# Altium PCB LimeNet-Micro_2v0.PcbDoc (part 3 of 11) (continued)
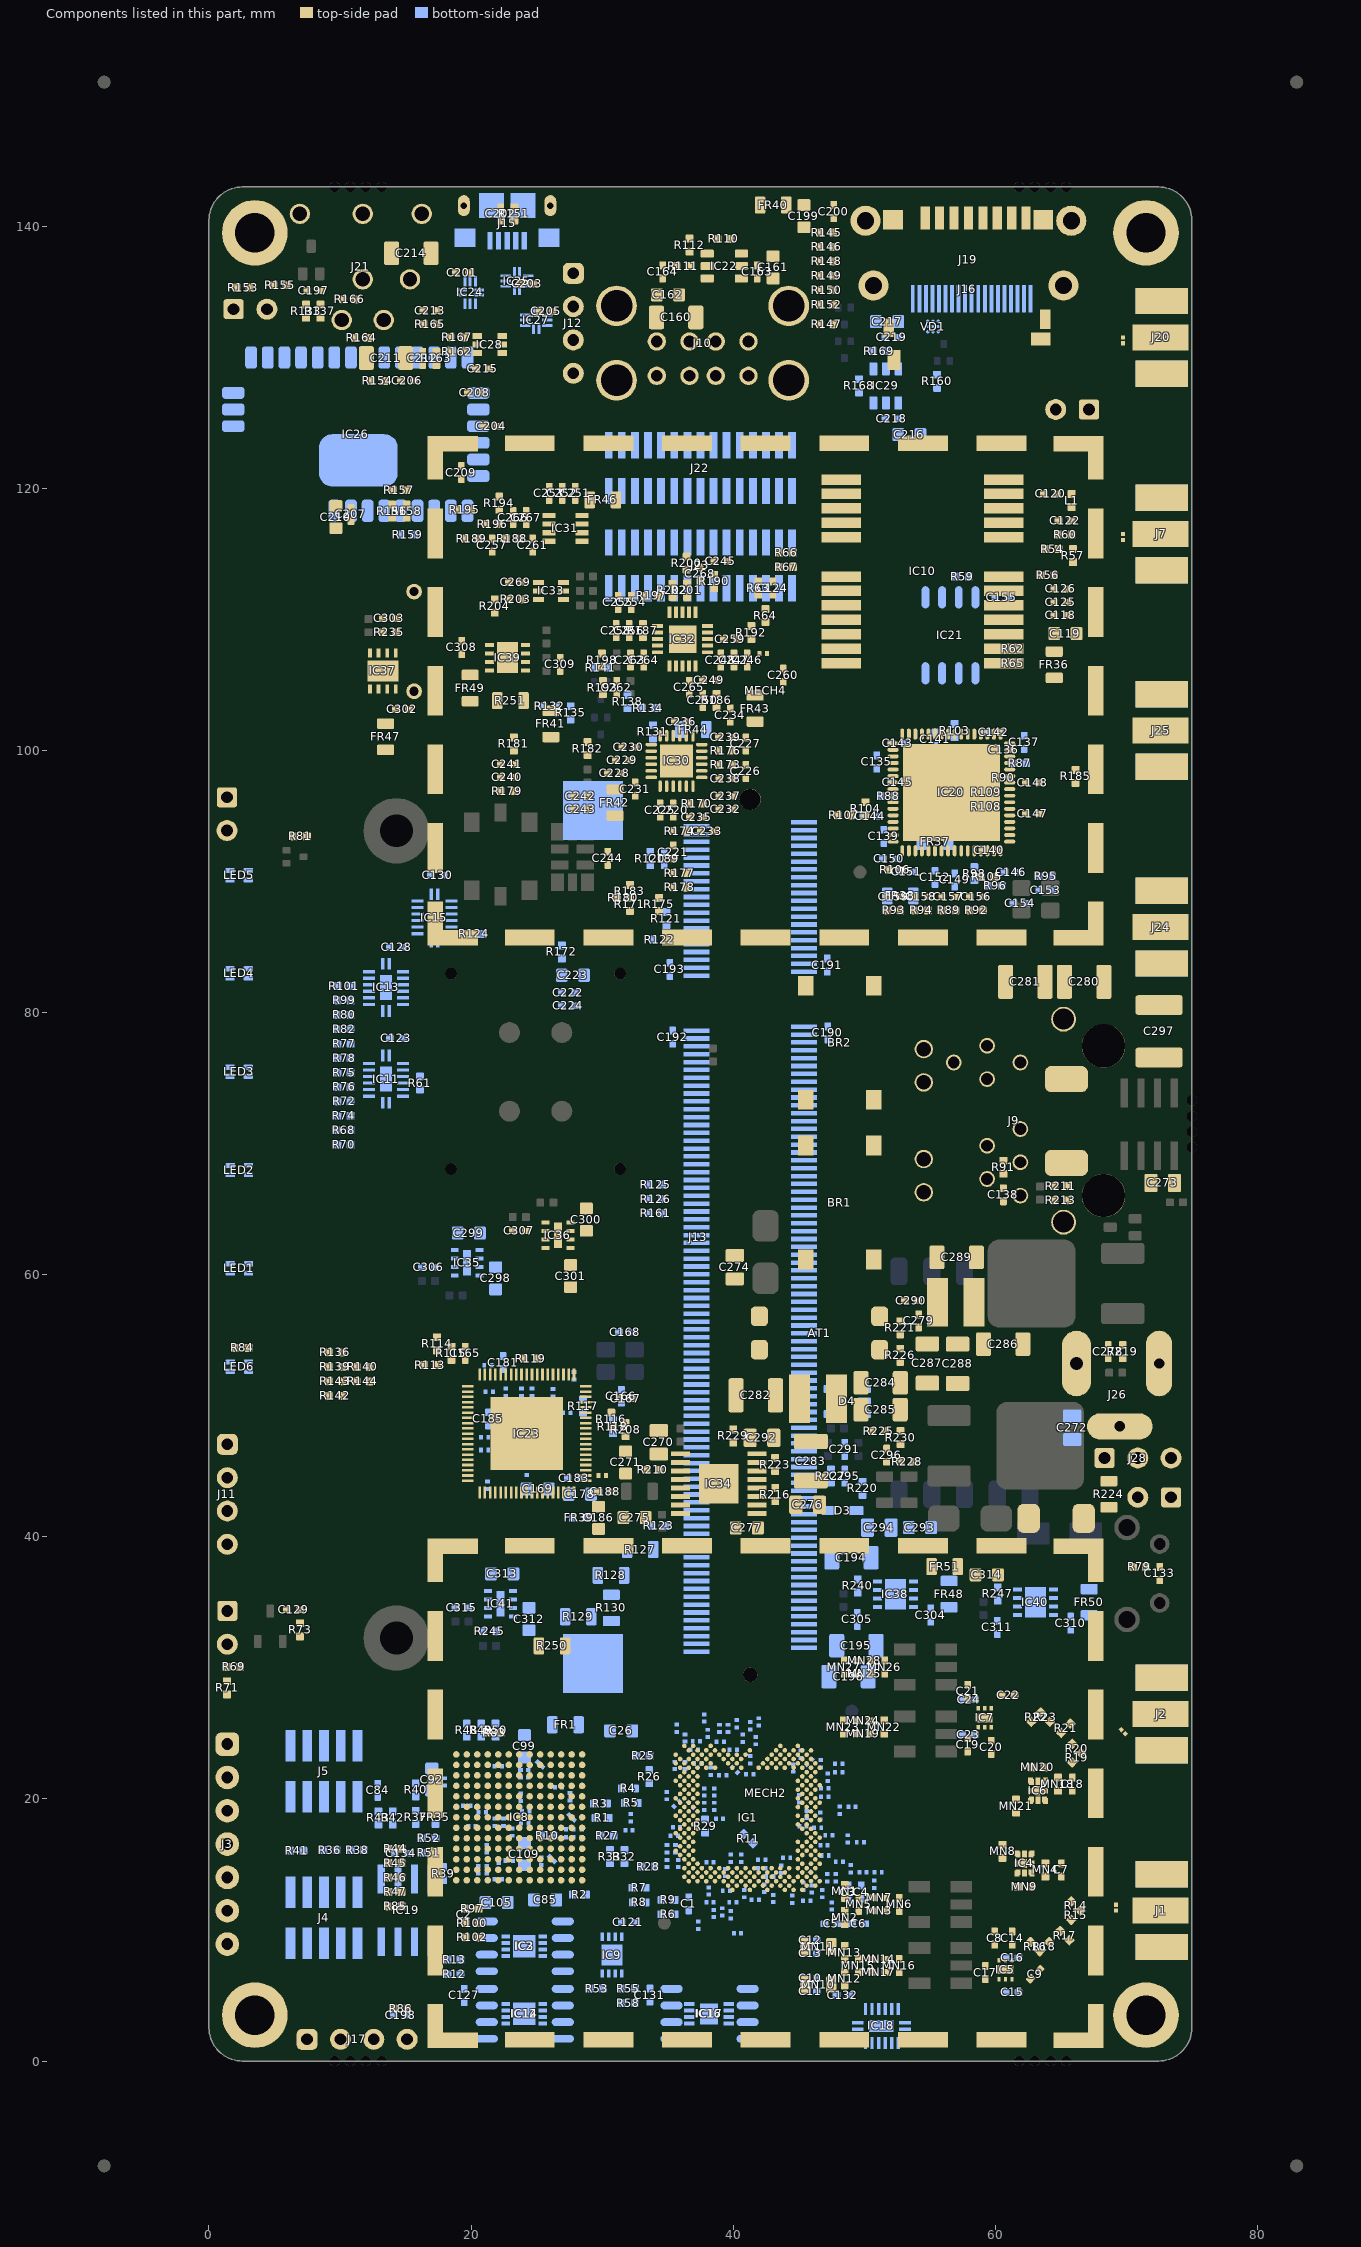
[diagram p7: the components of this part, seen from the top]
## Part data (continued)
J15: library part USB_Micro_TypeB, "Connector SMD USB Micro Type B", Manufacturer="Amphenol FCI", Manufacturer Part Number 1=10118193-0001LF, Supplier Part Number 1=609-4616-2-ND, Category="Connectors, Interconnects", Connector Type="USB - micro B", Mounting Type="Surface Mount, Right Angle, Horizontal", Number of Contacts=5, Part Description="CONN USB MICRO B RECPT SMT R/A", Supplier 1=Digi-Key
J16: library part MICRO_SD_114-00841-68, Manufacturer="Amphenol Commercial Products", Manufacturer Part Number=114-00841-68, Supplier Part Number 1=114-00841-68-1-ND, Card Type="Secure Digital - microSD™", Category="Connectors, Interconnects", ComponentLink1Description=https://www.amphenolcanada.com/ProductSearch/drawings/AC/1140084168.pdf, ComponentLink1URL=https://www.amphenolcanada.com/ProductSearch/drawings/AC/1140084168.pdf, Connector Type=Connector, Contact Finish=Gold, Contact Finish Thickness="15.0µin (0.38µm)", Ejector Side=-, Features=Switch, Height Above Board="0.061\" (1.55mm)", Insertion, Removal Method="Push In, Pull Out", Mounting Feature="Normal, Standard - Top", Mounting Type="Surface Mount, Right Angle", Number of Positions="10 (8 + 2)", Packaging="Cut Tape (CT)", Part Description="10 (8 + 2) Position Card Connector Secure Digital - microSD™ Surface Mount, Right Angle Gold", Part Status=Active, Pricing 1="1=1.5, 10=1.358, 25=1.2752, 50=1.2196, 100=1.1642, 250=1.05336, 500=0.9702 (USD)", RoHS="RoHS Compliant", Stock 1=5866, Supplier 1=Digi-Key
J19: library part HDMI_AMPHENOL_10029449-111RLF, Colour=Black, Insulation Resistance=100MR, Manufacturer="Amphenol FCI", Manufacturer Part Number 1=10029449-111RLF, Max Operating Temperature=85°C, Max Voltage Rating (AC)=40V, Min Operating Temperature=-55°C, Package Quantity=400, Supplier Part Number 1=649-10029449-111RLF, Body Material="Stainless Steel", Connector Type=HDMI, Contact Material="Bronze,Copper Alloy", Contact Plating=Gold, Depth=9.5mm, Features=Shielded, Gender=Receptacle, Housing Material=Thermoplastic, Lead Free="Lead Free", Length=15.7mm, Mount="Horizontal,Surface Mount", Number of Contacts=19, Number of Ports=1, Number of Positions=19, Number of Terminals=19, Orientation="Right Angle", Packaging="Tape and Reel", Part Description="HDMI HDMI™ 1.4 Receptacle Connector 19 Position Surface Mount, Right Angle; Through Hole", Pitch=0.5mm, Pricing 1="1=0.72, 10=0.661, 50=0.525, 100=0.503, 1000=0.367, 10000=0.325 (USD)", Radiation Hardening=No, REACH SVHC="No SVHC", Stock 1=4435, Supplier 1=Mouser, Termination=Solder, Voltage Rating=40V
J21: library part AUDIO_JACK_3mm5_SJ-4351X, Body Color=Black, Current Rating=1A, Insulation Color=-, Manufacturer="CUI Inc.", Manufacturer Part Number=SJ-43515TS, Operating Temperature="-20°C ~ 85°C", Supplier Part Number 1=CP-43515TS-ND, Voltage - Rated=12VDC, Actual Diameter="0.142\" (3.60mm)", Body Material=-, Cable Opening=-, Category="Connectors, Interconnects", ComponentLink1Description=http://www.cui.com/product/resource/digikeypdf/sj-4351x.pdf, ComponentLink1URL=http://www.cui.com/product/resource/digikeypdf/sj-4351x.pdf, Connector Type="Phone Jack", Contact Material="Brass, Copper Alloy, Phosphor Bronze", Contact Material - Plating=Gold, Features=-, Gender=Female, Housing Material="Polyamide (PA66), Nylon 6/6", Includes=-, Industry Recognized Mating Diameter="3.50mm (0.141\", 1/8\", Mini Plug) - Headphone", Internal Switch(s)="Single Switch", Mating Length/Depth="0.551\" (14.00mm)", Mounting Type="Through Hole, Right Angle", Number of Positions/Contacts="4 Conductors, 5 Contacts", Packaging=Bulk, Panel Hole Size=-, Part Description="CONN JACK 4COND 3.5MM R/A", Part Status=Active, Pricing 1="1=1.04, 10=0.91, 25=0.8568, 50=0.8212, 100=0.7854, 250=0.714, 500=0.6426, 1000=0.5712, 2500=0.51765 (USD)", RoHS="RoHS Compliant", Shielding=Unshielded, Signal Lines=Multiple, Stock 1=62424, Supplier 1=Digi-Key, Termination=Solder, Thread Size=-
J22 J23: library part FPC_CONNECTOR_15pin_1-1734248-5, Contact Current Rating=1A, Flammability Rating="UL94 V-0", Housing Colour=Black, Manufacturer="TE Connectivity", Manufacturer Part Number 1=1-1734248-5, Max Operating Temperature=185°C, Min Operating Temperature=-4°C, Package Quantity=1000, Supplier Part Number 1=A101418DKR-ND, Voltage Rating=125V, Circuit Application=Signal, Connector System=Flex-to-Board, Connector Type=Connector,Receptacle,Socket, Contact Material=Bronze, Contact Plating=Gold, Current Rating=1A, Depth=4.6mm, ELV=Compliant, Gender=Receptacle, Height=7.7mm, Housing Material=Thermoplastic, Length=22.4mm, Mating Alignment="Yes (With)", Mount="Surface Mount", Number of Contacts=15, Number of Positions=15, Number of Rows=1, Orientation=Straight, Packaging="Tape and Reel", Part Description="15 Position FPC Connector Contacts, Vertical, 1 Sided 0.039\" (1.00mm) Surface Mount", PCB Mount Alignment="No (Without)", PCB Mount Retention=With, Pitch=1mm, Pricing 1="1=1.03, 10=0.909, 25=0.8556, 50=0.82, 100=0.7843, 250=0.713, 500=0.6417 (USD)", REACH SVHC=Unknown, Sealable="No (Without)", Shielding=Unshielded, Shrouded="Yes (With)", Stock 1=11808, Supplier 1=Digi-Key, Termination=SMD/SMT, Width=4.6mm, Wire/Cable Type="Flat Flex"
J26: "Power Connector, THT, 2.1mm ID, 5.5mm OD", Color=Black, Current Rating=3.5A, Manufacturer="CUI Inc.", Manufacturer Part Number 1=PJ-031DH, Operating Temperature="-25°C ~ 85°C", Supplier Part Number 1=CP-031DH-ND, Voltage - Rated=16VDC, Category="Connectors, Interconnects", Connector Type=Jack, Contact Material=Brass, Contact Material - Plating=Nickel, Features=-, Gender=Male, Housing Color=Black, Housing Material=Thermoplastic, Internal Switch(s)="Single Switch, Normally Closed", Mounting Type="Through Hole, Right Angle", Number of Positions/Contacts="2 Conductors, 3 Contacts", Part Description="CON PWR JCK 1.3 X 4.2MM HIGH CUR", Plug/Mating Plug Diameter="1.35mm ID, 3.5mm OD", RoHS="RoHS Compliant", Shielding=Unshielded, Supplier 1=Digi-Key, Termination=Solder
J28: library part Header3P, "Header, 3-pin", Color=Black, Manufacturer=FCI, Manufacturer Part Number 1=68000-103HLF, Supplier Part Number 1=609-3461-ND, Assembly Info=NF, Category="Connectors, Interconnects", Connector Type="Header, Unshrouded", Contact Finish="Gold or Gold, GXT™", Contact Finish Thickness="30µin (0.76µm)", Contact Mating Length="0.230\" (5.84mm)", Contact Type="Male Pin", Fastening Type=-, Features=-, Mounting Type="Through Hole", Number of Positions=3, Number of Positions Loaded=All, Number of Rows=1, Packaging=Bulk, Part Description="Connector Header Through Hole 3 position 0.100\" (2.54mm)", Pitch="0.100\" (2.54mm)", RoHS="RoHS Compliant", Row Spacing=-, Supplier 1=Digi-Key, Termination=Solder
L1: library part Inductor_0603, DC Current Rating=420, DC Resistance Max=0.58, High Frequency Inductor Case="0402 [1005 Metric]", Inductance=47, Inductance Tolerance="± 5%", Inductor Case Style="0402 [1005 Metric]<!--FANDB--><div class=\"features-and-benefits-container\"></div>", Inductor Construction=Wirewound, Manufacturer=COILCRAFT, Manufacturer Part Number=0402HP-47NXJLU, Self Resonant Frequency Min=2.4, Supplier Part Number 1=2285856, Manufacturer Part Number 1=0402HP-47NXJLU, Packaging="Cut Tape", Part Description="COILCRAFT  0402HP-47NXJLU  Surface Mount High Frequency Inductor, 0402HP Series, 47 nH, 420 mA, 0402 [1005 Metric], Wirewound", Product Range=0402, RoHS=Y-EX, Supplier 1=Farnell, SVHC="No SVHC (15-Jun-2015)"
L2: library part Inductor_0603, Current - Saturation=2.3A, DC Resistance (DCR)="66 mOhm Max", Frequency - Self Resonant=45MHz, Manufacturer="Taiyo Yuden", Manufacturer Part Number 1=NRS4018T3R3MDGJ, Operating Temperature="-25°C ~ 120°C", Package / Case=Nonstandard, Q @ Freq=-, Supplier Part Number 1=587-2892-1-ND, Tolerance=±20%, Category="Inductors, Coils, Chokes", Height - Seated (Max)="0.071\" (1.80mm)", Material - Core=Ferrite, Mounting Type="Surface Mount", Packaging="Cut Tape (CT)", Part Description="3.3µH Shielded Wirewound Inductor 2A 66 mOhm Max Nonstandard", Part Status=Active, Ratings=-, RoHS="RoHS Compliant", Shielding=Shielded, Size / Dimension="0.157\" L x 0.157\" W (4.00mm x 4.00mm)", Supplier 1=Digi-Key, Supplier Device Package=-, Type=Wirewound
L3: library part Inductor_0603, Current - Saturation=7.5A, DC Resistance (DCR)="16 mOhm Max", Frequency - Self Resonant=-, Manufacturer="Pulse Electronics Power", Manufacturer Part Number=PA4336.331NLT, Operating Temperature="-40°C ~ 125°C", Package / Case=Nonstandard, Supplier Part Number 1=553-3986-1-ND, Tolerance=±30%, Category="Inductors, Coils, Chokes", Features=-, Height - Seated (Max)="0.079\" (2.00mm)", Material - Core=Iron, Mounting Type="Surface Mount", Packaging="Cut Tape (CT)", Part Description="330nH Shielded  Inductor 3.3A 16 mOhm Max Nonstandard", Part Status=Active, Q @ Freq=-, Ratings=-, RoHS="RoHS Compliant", Shielding=Shielded, Size / Dimension="0.157\" L x 0.157\" W (4.00mm x 4.00mm)", Supplier 1=Digi-Key, Supplier Device Package=-, Type=-
LED1 LED2 LED3 LED4 LED5 LED6: library part LED_green_red_SMD, Color="Green, Red", Current - Test=20mA, Lens Color=White, Manufacturer="Avago Technologies US Inc.", Manufacturer Part Number 1=HSMF-C165, Millicandela Rating="15mcd Green, 10mcd Red", Package / Case="0603 (1608 Metric)", Supplier Part Number 1=516-1419-1-ND, Voltage - Forward (Vf) (Typ)="2.2V Green, 1.95V Red", Category=Optoelectronics, Height (Max)=0.50mm, Lens Style/Size="Rectangle with Flat Top, 1.60mm x 0.80mm", Lens Transparency=Diffused, Mounting Type="Surface Mount", Packaging="Cut Tape (CT)", Part Description="LED GREEN/RED DIFFUSED 0603 SMD", RoHS="RoHS Compliant", Size / Dimension="1.60mm L x 0.80mm W", Supplier 1=Digi-Key, Viewing Angle=120°, Wavelength - Dominant="572nm Green, 621nm Red", Wavelength - Peak="570nm Green, 636nm Red"
LS1: library part BUZZER_WST-1203UX, Current - Supply=30mA, Frequency=2.3kHz, Manufacturer="Soberton Inc.", Operating Mode="Single Tone", Operating Temperature="-20°C ~ 60°C", Ratings=Washable, Supplier Part Number 1=433-1047-ND, Voltage Range="2 ~ 4V", Approvals=-, Category="Audio Products", ComponentLink1Description=http://cirlw3yrzg4afc1x47lv2k18.wpengine.netdna-cdn.com/wp-content/uploads/2016/12/WST-1203UX-new.pdf, ComponentLink1URL=http://cirlw3yrzg4afc1x47lv2k18.wpengine.netdna-cdn.com/wp-content/uploads/2016/12/WST-1203UX-new.pdf, Driver Circuitry="Indicator, Internally Driven", Duration=-, Height - Seated (Max)="0.303\" (7.70mm)", Input Type="Zero-Peak Signal", Manufacturer Part Number 1=WST-1203UX, Mounting Type="Through Hole", Packaging=Tray, Part Description="Buzzers Indicator, Internally Driven Magnetic 3V 30mA 2.3kHz 82dB @ 3V, 10cm Through Hole PC Pins", Part Status=Active, Port Location=Top, Pricing 1="1=1.41, 10=1.117, 25=1.0176, 50=0.9516, 100=0.8855, 250=0.80852, 500=0.7535, 1000=0.704, 5000=0.6875 (USD)", RoHS="RoHS Compliant", Size / Dimension="0.472\" Dia (12.00mm)", Sound Pressure Level (SPL)="82dB @ 3V, 10cm", Stock 1=22696, Supplier 1=Digi-Key, Technology=Magnetic, Termination="PC Pins"
MECH2 MECH4: library part RFI_SHIELD_2_frame, Manufacturer="Laird Technologies EMI", Supplier Part Number 1=903-1470-1-ND, Category="RF/IF and RFID", ComponentLink1Description=https://media.digikey.com/pdf/Data%20Sheets/Laird%20Technologies/BMI-S-230-F_Dwg.pdf, ComponentLink1URL=https://media.digikey.com/pdf/Data%20Sheets/Laird%20Technologies/BMI-S-230-F_Dwg.pdf, Height - Overall="0.200\" (5.08mm)", Length - Overall="1.500\" (38.10mm)", Manufacturer Part Number 1=BMI-S-230-F-R, Mounting Type=Solder, Packaging="Cut Tape (CT)", Part Description="RF Shield Frame 2.000\" (50.80mm) X 1.500\" (38.10mm) Solder", Part Status=Active, Pricing 1="1=1.95, 10=1.726, 25=1.5588 (USD)", RoHS="RoHS Compliant", Stock 1=12638, Supplier 1=Digi-Key, Type=Frame, Ventilation=-, Width - Overall="2.000\" (50.80mm)"
MECH5 MECH6 MECH7 MECH8: library part "STANDOFF_M-F_THREADED_M3x8x10mm_HEX_5mm dia", "STANDOFF M/F MET 5MM HEX 10MM L", Colour=natural, Manufacturer=FIX&FASTEN, Manufacturer Part Number 1=FIX-MAE-5TV, Category="Plastic Pegs", Internal thread=M3, Material=polyamide, MinAmount=10, Multiples=10, Panel cutout diameter=3mm, Part Description="PCB distance; polyamide; L:5mm; Colour: natural; Øcutout:3mm", Price Type=NET, Spacer length=5mm, Spanner size=5.5mm, SuppliedAmount=1000, Supplier 1=TME, Supplier Part Number 1=FIX-MAE-5TV, Thread pitch=0,5, Type of spacer="PCB distance", Unit=pcs, Weight=0.145
MN1 MN2 MN4 MN8 MN22: library part Inductor_0603, DC Current Rating=1.5, DC Resistance Max=0.065, High Frequency Inductor Case="0402 [1005 Metric]", Inductance=8.2, Inductance Tolerance="± 5%", Inductor Case Style="0402 [1005 Metric]<!--FANDB--><div class=\"features-and-benefits-container\"></div>", Inductor Construction=Wirewound, Manufacturer=COILCRAFT, Manufacturer Part Number 1=0402HP-8N2XJLU, Self Resonant Frequency Min=5.4, Supplier Part Number 1=2285826, Packaging="Cut Tape", Part Description="Surface Mount High Frequency Inductor, 0402HP Series, 8.2 nH, ± 5%, 0402 [1005 Metric], 5.4 GHz", Product Range="COILCRAFT - 0402", RoHS=Y-EX, Supplier 1=Farnell, SVHC="No SVHC (16-Jun-2014)"
  MN8 MN22: Assembly Info=NF
MN3 MN7: library part Cap_0402, Capacitance=0.80pF, Manufacturer="Murata Electronics North America", Manufacturer Part Number=GRM1555C1HR80BA01D, Operating Temperature="-55°C ~ 125°C", Package / Case="0402 (1005 Metric)", Ratings=-, Supplier Part Number 1=490-6269-1-ND, Temperature Coefficient="C0G, NP0", Tolerance=±0.1pF, Voltage - Rated=50V, Applications="General Purpose", Category=Capacitors, Features=-, Height - Seated (Max)=-, Lead Spacing=-, Lead Style=-, Mounting Type="Surface Mount, MLCC", Packaging="Cut Tape (CT)", Part Description="0.80pF ±0.1pF 50V C0G, NP0 Ceramic Capacitor -55°C ~ 125°C Surface Mount, MLCC 0402 (1005 Metric) 0.039\" L x 0.020\" W (1.00mm x 0.50mm)", RoHS="RoHS Compliant", Size / Dimension="0.039\" L x 0.020\" W (1.00mm x 0.50mm)", Supplier 1=Digi-Key, Thickness (Max)="0.022\" (0.55mm)"
MN5 MN15 MN27: library part Cap_0402, Manufacturer="TDK Corporation", Manufacturer Part Number 1=C1005C0G1H010B050BA, Operating Temperature="-55°C ~ 125°C", Package / Case="0402 (1005 Metric)", Ratings=-, Supplier Part Number 1=445-4854-6-ND, Temperature Coefficient="C0G, NP0", Tolerance=±0.1pF, Voltage - Rated=50V, Applications="General Purpose", Capacitance=1pF, Category=Capacitors, Features=-, Height - Seated (Max)=-, Lead Spacing=-, Lead Style=-, Mounting Type="Surface Mount, MLCC", Packaging=Digi-Reel®, Part Description="1pF ±0.1pF 50V C0G, NP0 Ceramic Capacitor -55°C ~ 125°C Surface Mount, MLCC 0402 (1005 Metric) 0.039\" L x 0.020\" W (1.00mm x 0.50mm)", RoHS="RoHS Compliant", Size / Dimension="0.039\" L x 0.020\" W (1.00mm x 0.50mm)", Supplier 1=Digi-Key, Thickness (Max)="0.022\" (0.55mm)"
  MN5 MN15: Assembly Info=NF
MN6 MN26: library part Cap_0402, Capacitance=0.50pF, Manufacturer=Yageo, Manufacturer Part Number 1=CC0402CRNPO9BNR50, Operating Temperature="-55°C ~ 125°C", Package / Case="0402 (1005 Metric)", Ratings=-, Supplier Part Number 1=311-1001-1-ND, Temperature Coefficient="C0G, NP0", Tolerance=±0.25pF, Voltage - Rated=50V, Applications="General Purpose", Category=Capacitors, Features=-, Height - Seated (Max)=-, Lead Spacing=-, Lead Style=-, Mounting Type="Surface Mount, MLCC", Packaging="Cut Tape (CT)", Part Description="0.50pF ±0.25pF 50V C0G, NP0 Ceramic Capacitor -55°C ~ 125°C Surface Mount, MLCC 0402 (1005 Metric) 0.039\" L x 0.020\" W (1.00mm x 0.50mm)", RoHS="RoHS Compliant", Size / Dimension="0.039\" L x 0.020\" W (1.00mm x 0.50mm)", Supplier 1=Digi-Key, Thickness (Max)="0.022\" (0.55mm)"
  MN26: Assembly Info=NF
MN9: library part Inductor_0603, Current - Saturation=-, DC Resistance (DCR)="300 mOhm Max", Frequency - Self Resonant=4GHz, Manufacturer="Murata Electronics North America", Manufacturer Part Number 1=LQW15AN22NJ00D, Operating Temperature="-55°C ~ 125°C", Package / Case="0402 (1005 Metric)", Q @ Freq="25 @ 250MHz", Supplier Part Number 1=490-1150-1-ND, Tolerance=±5%, Category="Inductors, Coils, Chokes", ComponentLink1Description=http://search.murata.co.jp/Ceramy/image/img/P02/JELF243A-0050.pdf, ComponentLink1URL=http://search.murata.co.jp/Ceramy/image/img/P02/JELF243A-0050.pdf, Height - Seated (Max)="0.024\" (0.60mm)", Material - Core=Non-Magnetic, Mounting Type="Surface Mount", Packaging="Cut Tape (CT)", Part Description="22nH Unshielded Wirewound Inductor 310mA 300 mOhm Max 0402 (1005 Metric)", Part Status=Active, Pricing 1="1=0.17, 10=0.155, 100=0.1035, 500=0.08626, 1000=0.07245, 2500=0.0621 (USD)", Ratings=-, RoHS="RoHS Compliant", Shielding=Unshielded, Size / Dimension="0.039\" L x 0.020\" W (1.00mm x 0.50mm)", Stock 1=120331, Supplier 1=Digi-Key, Supplier Device Package="0402 (1005 Metric)", Type=Wirewound
MN10 MN11: library part Inductor_0603, Current - Saturation=-, Current Rating=2mA, DC Resistance (DCR)="3.1 Ohm Max", Frequency - Self Resonant=7MHz, Frequency - Test=1MHz, Inductance=100µH, Manufacturer="TDK Corporation", Manufacturer Part Number=MLF2012C101KT000, Operating Temperature="-40°C ~ 85°C", Package / Case="0805 (2012 Metric)", Q @ Freq="25 @ 1MHz", Supplier Part Number 1=445-1071-1-ND, Tolerance=±10%, Category="Inductors, Coils, Chokes", Height - Seated (Max)="0.057\" (1.45mm)", Material - Core=Ferrite, Mounting Type="Surface Mount", Packaging="Cut Tape (CT)", Part Description="FIXED IND 100UH 2MA 3.1 OHM SMD", RoHS="RoHS Compliant", Shielding=Shielded, Size / Dimension="0.079\" L x 0.049\" W (2.00mm x 1.25mm)", Supplier 1=Digi-Key, Supplier Device Package="0805 (2012 Metric)", Type=Multilayer
MN12 MN13 R42 R43 R96 R113 R120 R124 R131 R133 R136 R137 R138 R139 R142 R143 R211 R213: library part Res_0402, Manufacturer=Yageo, Manufacturer Part Number 1=RC0402JR-070RL, Package / Case="0402 (1005 Metric)", Supplier Part Number 1=311-0.0JRTR-ND, Category=Resistors, Composition="Thick Film", Part Description="RES SMD 0.0OHM JUMPER 1/16W 0402", Supplier 1=Digi-Key
  R43 R131 R137 R138 R139 R143 R211: Assembly Info=NF
MN16 MN25 MN28: library part Cap_0402, Capacitance=2, Capacitance Tolerance="± 0.1", Ceramic Capacitor Case="0402 [1005 Metric]", Dielectric Characteristic="C0G / NP0", Manufacturer=AVX, Manufacturer Part Number 1=04025U2R0BAT2A, Operating Temperature Max=125, Operating Temperature Min=-55, Supplier Part Number 1=2332536, Voltage Rating=50, Capacitance Tolerance ±="± 0.1", MSL="MSL 1 - Unlimited", Packaging="Cut Tape", Part Description="SMD Multilayer Ceramic Capacitor, U Series, 2 pF, ± 0.1pF, C0G / NP0, 50 V, 0402 [1005 Metric]", Product Range="U Series", RoHS=YES, Supplier 1=Farnell, SVHC="No SVHC (17-Dec-2014)"
MN18: library part Inductor_0603, Current - Saturation=-, DC Resistance (DCR)="200 mOhm Max", Frequency - Self Resonant=4.5GHz, Manufacturer="TDK Corporation", Manufacturer Part Number 1=MLG1005S4N3STD25, Operating Temperature="-55°C ~ 125°C", Package / Case="0402 (1005 Metric)", Q @ Freq="8 @ 100MHz", Ratings=AEC-Q200, Supplier Part Number 1=445-16307-1-ND, Tolerance=±0.3nH, Category="Inductors, Coils, Chokes", ComponentLink1Description=https://product.tdk.com/info/en/catalog/datasheets/inductor_automotive_high-frequency_mlg1005s_en.pdf, ComponentLink1URL=https://product.tdk.com/info/en/catalog/datasheets/inductor_automotive_high-frequency_mlg1005s_en.pdf, Height - Seated (Max)="0.022\" (0.55mm)", Material - Core=Non-Magnetic, Mounting Type="Surface Mount", Packaging="Cut Tape (CT)", Part Description="4.3nH Unshielded Multilayer Inductor 700mA 200 mOhm Max 0402 (1005 Metric)", Part Status=Active, Pricing 1="1=0.1, 10=0.078, 100=0.0518, 500=0.04312, 1000=0.03623, 2500=0.03105 (USD)", RoHS="RoHS Compliant", Shielding=Unshielded, Size / Dimension="0.039\" L x 0.020\" W (1.00mm x 0.50mm)", Stock 1=19895, Supplier 1=Digi-Key, Supplier Device Package="0402 (1005 Metric)", Type=Multilayer
MN19 MN24: library part Cap_0402, Manufacturer="Murata Electronics North America", Manufacturer Part Number=GRM1555C1H511JA01D, Operating Temperature="-55°C ~ 125°C", Package / Case="0402 (1005 Metric)", Ratings=-, Supplier Part Number 1=490-3237-1-ND, Temperature Coefficient="C0G, NP0", Tolerance=±5%, Voltage - Rated=50V, Applications="General Purpose", Capacitance=510pF, Category=Capacitors, Features=-, Height - Seated (Max)=-, Lead Spacing=-, Lead Style=-, Mounting Type="Surface Mount, MLCC", Packaging="Cut Tape (CT)", Part Description="510pF ±5% 50V C0G, NP0 Ceramic Capacitor -55°C ~ 125°C Surface Mount, MLCC 0402 (1005 Metric) 0.039\" L x 0.020\" W (1.00mm x 0.50mm)", RoHS="RoHS Compliant", Size / Dimension="0.039\" L x 0.020\" W (1.00mm x 0.50mm)", Supplier 1=Digi-Key, Thickness (Max)="0.022\" (0.55mm)"
MN20: library part Inductor_0603, Current - Saturation=-, DC Resistance (DCR)="280 mOhm Max", Frequency - Self Resonant=3GHz, Manufacturer="Murata Electronics North America", Manufacturer Part Number 1=LQG15HS12NJ02D, Operating Temperature="-55°C ~ 125°C", Package / Case="0402 (1005 Metric)", Q @ Freq="8 @ 100MHz", Supplier Part Number 1=490-2624-1-ND, Tolerance=±5%, Category="Inductors, Coils, Chokes", ComponentLink1Description=http://search.murata.co.jp/Ceramy/image/img/P02/JELF243B-0010.pdf, ComponentLink1URL=http://search.murata.co.jp/Ceramy/image/img/P02/JELF243B-0010.pdf, Height - Seated (Max)="0.022\" (0.55mm)", Material - Core=Air, Mounting Type="Surface Mount", Packaging="Cut Tape (CT)", Part Description="12nH Unshielded Multilayer Inductor 500mA 280 mOhm Max 0402 (1005 Metric)", Part Status=Active, Pricing 1="1=0.1, 10=0.061, 100=0.0404, 500=0.03366, 1000=0.02827, 2500=0.02423 (USD)", Ratings=-, RoHS="RoHS Compliant", Shielding=Unshielded, Size / Dimension="0.039\" L x 0.020\" W (1.00mm x 0.50mm)", Stock 1=107843, Supplier 1=Digi-Key, Supplier Device Package="0402 (1005 Metric)", Type=Multilayer
MN21: library part Inductor_0603, Current - Saturation=-, DC Resistance (DCR)="260 mOhm Max", Frequency - Self Resonant=3.4GHz, Manufacturer="Murata Electronics North America", Manufacturer Part Number 1=LQG15HS10NJ02D, Operating Temperature="-55°C ~ 125°C", Package / Case="0402 (1005 Metric)", Q @ Freq="8 @ 100MHz", Supplier Part Number 1=490-2623-1-ND, Tolerance=±5%, Category="Inductors, Coils, Chokes", ComponentLink1Description=http://search.murata.co.jp/Ceramy/image/img/P02/JELF243B-0010.pdf, ComponentLink1URL=http://search.murata.co.jp/Ceramy/image/img/P02/JELF243B-0010.pdf, Height - Seated (Max)="0.022\" (0.55mm)", Material - Core=Air, Mounting Type="Surface Mount", Packaging="Cut Tape (CT)", Part Description="10nH Unshielded Multilayer Inductor 500mA 260 mOhm Max 0402 (1005 Metric)", Part Status=Active, Pricing 1="1=0.1, 10=0.061, 100=0.0404, 500=0.03366, 1000=0.02827, 2500=0.02423 (USD)", Ratings=-, RoHS="RoHS Compliant", Shielding=Unshielded, Size / Dimension="0.039\" L x 0.020\" W (1.00mm x 0.50mm)", Stock 1=216002, Supplier 1=Digi-Key, Supplier Device Package="0402 (1005 Metric)", Type=Multilayer
MN23: library part Cap_0402, Manufacturer="Murata Electronics North America", Manufacturer Part Number 1=GRM1555C1H1R2CA01D, Operating Temperature="-55°C ~ 125°C", Package / Case="0402 (1005 Metric)", Ratings=-, Supplier Part Number 1=490-5927-1-ND, Temperature Coefficient="C0G, NP0", Tolerance=±0.25pF, Voltage - Rated=50V, Applications="General Purpose", Capacitance=1.2pF, Category=Capacitors, Features=-, Height - Seated (Max)=-, Lead Spacing=-, Lead Style=-, Mounting Type="Surface Mount, MLCC", Packaging="Cut Tape (CT)", Part Description="'1.2pF ±0.25pF 50V C0G, NP0 Ceramic Capacitor -55°C ~ 125°C Surface Mount, MLCC 0402 (1005 Metric) 0.039\" L x 0.020\" W (1.00mm x 0.50mm)", RoHS="RoHS Compliant", Size / Dimension="0.039\" L x 0.020\" W (1.00mm x 0.50mm)", Supplier 1=Digi-Key, Thickness (Max)="0.022\" (0.55mm)"
R1 R2 R3 R4 R5 R10 R11 R36 R37 R38 R39 R40 R48 R49 R50 R51 R52 R53 R61 R79 R85 R86 R87 R88 R97 R100 R102 R103 R110 R115 R116 R117 R118 R168 R196 R197 R198 R204 R210 R216 R227 R230: library part Res_0402, Manufacturer=Yageo, Manufacturer Part Number 1=RC0402FR-0710KL, Operating Temperature="-55°C ~ 155°C", Package / Case="0402 (1005 Metric)", Power (Watts)="0.063W, 1/16W", Resistance (Ohms)=10k, Supplier Device Package=0402, Supplier Part Number 1=311-10.0KLRTR-ND, Temperature Coefficient=±100ppm/°C, Tolerance=±1%, Category=Resistors, Composition="Thick Film", Features="Moisture Resistant", Height="0.016\" (0.40mm)", Number of Terminations=2, Packaging="Tape & Reel (TR)", Part Description="RES SMD 10K OHM 1% 1/16W 0402", RoHS="RoHS Compliant", Size / Dimension="0.039\" L x 0.020\" W (1.00mm x 0.50mm)", Supplier 1=Digi-Key
  R37 R115 R204: Assembly Info=NF
R6 R7 R8 R9 R89 R92 R93 R94 R174 R186 R192 R200 R201 R202: library part Res_0402, Manufacturer="Samsung Electro-Mechanics America, Inc.", Manufacturer Part Number=RC1005F49R9CS, Operating Temperature="-55°C ~ 155°C", Package / Case="0402 (1005 Metric)", Power (Watts)="0.063W, 1/16W", Resistance (Ohms)=49.9, Supplier Part Number 1=1276-3469-6-ND, Temperature Coefficient=±100ppm/°C, Tolerance=±1%, Category=Resistors, Composition="Thick Film", Features=-, Height="0.016\" (0.40mm)", Number of Terminations=2, Packaging=Digi-Reel®, Part Description="RES SMD 49.9 OHM 1% 1/16W 0402", RoHS="RoHS Compliant", Size / Dimension="0.039\" L x 0.020\" W (1.00mm x 0.50mm)", Supplier 1=Digi-Key, Supplier Device Package="0402 (1005 Metric)"
R12 R13 R164 R166: library part Res_0402, Manufacturer="Stackpole Electronics Inc", Manufacturer Part Number 1=RMCF0402FT2K20, Operating Temperature="-55°C ~ 155°C", Package / Case="0402 (1005 Metric)", Power (Watts)="0.063W, 1/16W", Resistance (Ohms)=2.2k, Supplier Device Package=0402, Supplier Part Number 1=RMCF0402FT2K20CT-ND, Temperature Coefficient=±100ppm/°C, Tolerance=±1%, Category=Resistors, Composition="Thick Film", Features=-, Height="0.016\" (0.40mm)", Number of Terminations=2, Packaging="Cut Tape (CT)", Part Description="RES SMD 2.2K OHM 1% 1/16W 0402", RoHS="RoHS Compliant", Size / Dimension="0.039\" L x 0.020\" W (1.00mm x 0.50mm)", Supplier 1=Digi-Key
R14 R15 R16 R17 R18 R19 R20 R21 R22 R23 R25 R26 R27 R28 R29 R32 R33 R54 R56 R57 R59 R62 R63 R64 R65 R66 R67 R69 R71 R73 R81 R90 R95 R104 R107 R132 R153 R154 R158 R159 R170 R171 R172 R173 R175 R176 R177 R178 R179 R180 R181 R182 R183 R185 R189 R193 R229 R245: library part Res_0402, Manufacturer=Yageo, Manufacturer Part Number 1=RC0402JR-070RL, Operating Temperature="-55°C ~ 155°C", Package / Case="0402 (1005 Metric)", Power (Watts)="0.063W, 1/16W", Resistance (Ohms)=0.0, Supplier Device Package=0402, Supplier Part Number 1=311-0.0JRTR-ND, Temperature Coefficient=-, Tolerance=Jumper, Category=Resistors, Composition="Thick Film", Features="Moisture Resistant", Height="0.016\" (0.40mm)", Number of Terminations=2, Packaging="Tape & Reel (TR)", Part Description="RES SMD 0.0OHM JUMPER 1/16W 0402", RoHS="RoHS Compliant", Size / Dimension="0.039\" L x 0.020\" W (1.00mm x 0.50mm)", Supplier 1=Digi-Key
  R15 R18 R20 R23 R32 R57 R59 R62 R63 R65 R67 R69 R73 R81 R95 R104 R132 R153 R154 R158 R159 R175 R177 R178 R180 R181 R182 R183 R185: Assembly Info=NF
R24: library part Res_0402, Manufacturer="Rohm Semiconductor", Manufacturer Part Number 1=RC0201FR-070RL, Operating Temperature="-55°C ~ 125°C", Package / Case="0201 (0603 Metric)", Power (Watts)="0.05W, 1/20W", Resistance (Ohms)=0.0, Supplier Part Number 1=311-0.0MCT-ND, Temperature Coefficient=-, Tolerance=Jumper, Category=Resistors, Composition="Thick Film", Features=-, Height="0.010\" (0.26mm)", Number of Terminations=2, Packaging="Cut Tape (CT)", Part Description="RES SMD 0.0OHM JUMPER 1/20W 0201", RoHS="RoHS Compliant", Size / Dimension="0.024\" L x 0.012\" W (0.60mm x 0.30mm)", Supplier 1=Digi-Key, Supplier Device Package="0201 (0603 Metric)"
R30 R31: library part Res_0402, Manufacturer="Panasonic Electronic Components", Manufacturer Part Number=ERJ-1GEF10R0C, Operating Temperature="-55°C ~ 125°C", Package / Case="0201 (0603 Metric)", Power (Watts)="0.05W, 1/20W", Resistance (Ohms)=10, Supplier Device Package=0201, Supplier Part Number 1=P10.0ABCT-ND, Temperature Coefficient=±200ppm/°C, Tolerance=±1%, Category=Resistors, Composition="Thick Film", Features=-, Height="0.010\" (0.26mm)", Number of Terminations=2, Packaging="Cut Tape (CT)", Part Description="RES SMD 10 OHM 1% 1/20W 0201", RoHS="RoHS Compliant", Size / Dimension="0.024\" L x 0.012\" W (0.60mm x 0.30mm)", Supplier 1=Digi-Key
R34 R35: library part Res_0402, Manufacturer="Panasonic Electronic Components", Manufacturer Part Number 1=ERJ-1GEF10R0C, Operating Temperature="-55°C ~ 125°C", Package / Case="0201 (0603 Metric)", Power (Watts)="0.05W, 1/20W", Resistance (Ohms)=10, Supplier Device Package=0201, Supplier Part Number 1=P10.0ABCT-ND, Temperature Coefficient=±200ppm/°C, Tolerance=±1%, Category=Resistors, Composition="Thick Film", Features=-, Height="0.010\" (0.26mm)", Number of Terminations=2, Packaging="Cut Tape (CT)", Part Description="RES SMD 10 OHM 1% 1/20W 0201", RoHS="RoHS Compliant", Size / Dimension="0.024\" L x 0.012\" W (0.60mm x 0.30mm)", Supplier 1=Digi-Key
R41 R83 R123 R156 R157 R188 R190 R195 R223 R226 R235 R240 R247: library part Res_0402, Manufacturer="Stackpole Electronics Inc", Manufacturer Part Number 1=RMCF0402FT1K00, Operating Temperature="-55°C ~ 155°C", Package / Case="0402 (1005 Metric)", Power (Watts)="0.063W, 1/16W", Resistance (Ohms)=1k, Supplier Device Package=0402, Supplier Part Number 1=RMCF0402FT1K00TR-ND, Temperature Coefficient=±100ppm/°C, Tolerance=±1%, Category=Resistors, Composition="Thick Film", Height="0.016\" (0.40mm)", Number of Terminations=2, Part Description="RES SMD 1K OHM 1% 1/16W 0402", RoHS="RoHS Compliant", Size / Dimension="0.039\" L x 0.020\" W (1.00mm x 0.50mm)", Supplier 1=Digi-Key
  R41 R83: Features="Moisture Resistant", Packaging="Cut Tape (CT)"
  R123 R156 R157 R188 R190 R223 R226 R240 R247: Features=-, Packaging="Tape & Reel (TR)"
  R195 R235: Assembly Info=NF, Features=-, Packaging="Tape & Reel (TR)"
R44 R45 R46 R47 R108 R109: library part Res_0402, Manufacturer=Yageo, Package / Case="0402 (1005 Metric)", Supplier Part Number 1=311-0.0JRTR-ND, Category=Resistors, Composition="Thick Film", Part Description="RES SMD 0.0OHM JUMPER 1/16W 0402", Supplier 1=Digi-Key
R55 R58 R140 R144 R194 R203: library part Res_0402, Manufacturer="Vishay Dale", Manufacturer Part Number 1=CRCW04023K00FKED, Operating Temperature="-55°C ~ 155°C", Package / Case="0402 (1005 Metric)", Power (Watts)="0.063W, 1/16W", Resistance (Ohms)=3k, Supplier Part Number 1=541-3.00KLCT-ND, Temperature Coefficient=±100ppm/°C, Tolerance=±1%, Category=Resistors, Composition="Thick Film", Features="Automotive AEC-Q200", Height="0.016\" (0.40mm)", Number of Terminations=2, Packaging="Cut Tape (CT)", Part Description="RES SMD 3K OHM 1% 1/16W 0402", RoHS="RoHS Compliant", Size / Dimension="0.039\" L x 0.020\" W (1.00mm x 0.50mm)", Supplier 1=Digi-Key, Supplier Device Package="0402 (1005 Metric)"
R60 R91 R145 R146 R148 R149 R150 R152 R187 R208 R219 R220 R221 R225: library part Res_0402, Manufacturer=Yageo, Manufacturer Part Number 1=RC0402JR-0710RL, Operating Temperature="-55°C ~ 155°C", Package / Case="0402 (1005 Metric)", Power (Watts)="0.063W, 1/16W", Resistance (Ohms)=10, Supplier Device Package=0402, Supplier Part Number 1=311-10JRTR-ND, Temperature Coefficient=±200ppm/°C, Tolerance=±5%, Category=Resistors, Composition="Thick Film", Features="Moisture Resistant", Height="0.016\" (0.40mm)", Number of Terminations=2, Packaging="Tape & Reel (TR)", Part Description="RES SMD 10 OHM 5% 1/16W 0402", RoHS="RoHS Compliant", Size / Dimension="0.039\" L x 0.020\" W (1.00mm x 0.50mm)", Supplier 1=Digi-Key
R68 R70 R72 R74 R75 R76 R77 R78 R80 R82 R99 R101 R163 R165 R228: library part Res_0402, Manufacturer="Stackpole Electronics Inc.", Manufacturer Part Number 1=RMCF0402FT100R, Operating Temperature="-55°C ~ 155°C", Package / Case="0402 (1005 Metric)", Power (Watts)="0.063W, 1/16W", Resistance (Ohms)=100, Supplier Device Package=0402, Supplier Part Number 1=RMCF0402FT100RDKR-ND, Temperature Coefficient=±100ppm/°C, Tolerance=±1%, Category=Resistors, Composition="Thick Film", Features=-, Height="0.016\" (0.40mm)", Number of Terminations=2, Packaging=Digi-Reel®, Part Description="RES SMD 100 OHM 1% 1/16W 0402", RoHS="RoHS Compliant", Size / Dimension="0.039\" L x 0.020\" W (1.00mm x 0.50mm)", Supplier 1=Digi-Key
R84 R162 R167: library part Res_0402, Manufacturer="Stackpole Electronics Inc", Manufacturer Part Number 1=RMCF0402FT249R, Operating Temperature="-55°C ~ 155°C", Package / Case="0402 (1005 Metric)", Power (Watts)="0.063W, 1/16W", Resistance (Ohms)=249, Supplier Device Package=0402, Supplier Part Number 1=RMCF0402FT249RCT-ND, Temperature Coefficient=±100ppm/°C, Tolerance=±1%, Category=Resistors, Composition="Thick Film", Features=-, Height="0.016\" (0.40mm)", Number of Terminations=2, Packaging="Cut Tape (CT)", Part Description="RES SMD 249 OHM 1% 1/16W 0402", RoHS="RoHS Compliant", Size / Dimension="0.039\" L x 0.020\" W (1.00mm x 0.50mm)", Supplier 1=Digi-Key
R98: library part Res_0402, Manufacturer=Yageo, Manufacturer Part Number=RC0402FR-071ML, Operating Temperature="-55°C ~ 155°C", Package / Case="0402 (1005 Metric)", Power (Watts)="0.063W, 1/16W", Supplier Device Package=0402, Supplier Part Number 1=311-1.00MLRCT-ND, Temperature Coefficient=±100ppm/°C, Tolerance=±1%, Category=Resistors, Composition="Thick Film", Failure Rate=-, Features="Moisture Resistant", Height - Seated (Max)="0.016\" (0.40mm)", Packaging="Cut Tape (CT)", Part Description="1 MOhms ±1% 0.063W, 1/16W Chip Resistor 0402 (1005 Metric) Moisture Resistant Thick Film", Part Status=Active, RoHS="RoHS Compliant", Size / Dimension="0.039\" L x 0.020\" W (1.00mm x 0.50mm)", Supplier 1=Digi-Key
R105: library part Res_0402, Manufacturer="Samsung Electro-Mechanics", Manufacturer Part Number 1=RC1005F123CS, Operating Temperature="-55°C ~ 155°C", Package / Case="0402 (1005 Metric)", Power (Watts)="0.063W, 1/16W", Supplier Device Package=0402, Supplier Part Number 1=1276-4122-1-ND, Temperature Coefficient=±100ppm/°C, Tolerance=±1%, Category=Resistors, Composition="Thick Film", Failure Rate=-, Features="Moisture Resistant", Height - Seated (Max)="0.016\" (0.40mm)", Packaging="Cut Tape (CT)", Part Description="12 kOhms ±1% 0.063W, 1/16W Chip Resistor 0402 (1005 Metric) Moisture Resistant Thick Film", Part Status=Active, RoHS="RoHS Compliant", Size / Dimension="0.039\" L x 0.020\" W (1.00mm x 0.50mm)", Supplier 1=Digi-Key
R106: library part Res_0402, Manufacturer=Yageo, Manufacturer Part Number=RT0402BRE0712K4L, Operating Temperature="-55°C ~ 155°C", Package / Case="0402 (1005 Metric)", Power (Watts)="0.063W, 1/16W", Supplier Device Package=0402, Supplier Part Number 1=YAG4337CT-ND, Temperature Coefficient=±50ppm/°C, Tolerance=±0.1%, Category=Resistors, Composition="Thin Film", Failure Rate=-, Features=-, Height - Seated (Max)="0.014\" (0.35mm)", Manufacturer Part Number 1=RT0402BRE0712K4L, Packaging="Cut Tape (CT)", Part Description="12.4 kOhms ±0.1% 0.063W, 1/16W Chip Resistor 0402 (1005 Metric)  Thin Film", Part Status=Active, RoHS="RoHS Compliant", Size / Dimension="0.039\" L x 0.020\" W (1.00mm x 0.50mm)", Supplier 1=Digi-Key
R111 R112 R169: library part Res_0402, Manufacturer="Panasonic Electronic Components", Manufacturer Part Number 1=ERJ-2RKF4422X, Operating Temperature="-55°C ~ 155°C", Package / Case="0402 (1005 Metric)", Power (Watts)="0.1W, 1/10W", Resistance (Ohms)=44.2k, Supplier Device Package=0402, Supplier Part Number 1=P44.2KLCT-ND, Temperature Coefficient=±100ppm/°C, Tolerance=±1%, Category=Resistors, Composition="Thick Film", Features="Automotive AEC-Q200", Height="0.016\" (0.40mm)", Number of Terminations=2, Packaging="Cut Tape (CT)", Part Description="RES SMD 44.2K OHM 1% 1/10W 0402", RoHS="RoHS Compliant", Size / Dimension="0.039\" L x 0.020\" W (1.00mm x 0.50mm)", Supplier 1=Digi-Key
  R112: Assembly Info=NF
R114: library part Res_0402, Manufacturer=Yageo, Manufacturer Part Number 1=RC0402FR-074K7L, Operating Temperature="-55°C ~ 155°C", Package / Case="0402 (1005 Metric)", Power (Watts)="0.063W, 1/16W", Supplier Device Package=0402, Supplier Part Number 1=311-4.7KLRCT-ND, Temperature Coefficient=±100ppm/°C, Tolerance=±1%, Assembly Info=NF, Category=Resistors, ComponentLink1Description=http://www.yageo.com/documents/recent/PYu-RC_Group_51_RoHS_L_7.pdf, ComponentLink1URL=http://www.yageo.com/documents/recent/PYu-RC_Group_51_RoHS_L_7.pdf, Composition="Thick Film", Failure Rate=-, Features="Moisture Resistant", Height - Seated (Max)="0.016\" (0.40mm)", Packaging="Cut Tape (CT)", Part Description="±1% 0.063W, 1/16W Chip Resistor 0402 (1005 Metric) Moisture Resistant Thick Film", Part Status=Active, Pricing 1="1=0.1, 10=0.014, 100=0.0056, 1000=0.00253, 2500=0.0022, 5000=0.00181 (USD)", RoHS="RoHS Compliant", Size / Dimension="0.039\" L x 0.020\" W (1.00mm x 0.50mm)", Stock 1=4788231, Supplier 1=Digi-Key
R119: library part Res_0402, Manufacturer=Yageo, Manufacturer Part Number=RC0402FR-071K6L, Operating Temperature="-55°C ~ 155°C", Package / Case="0402 (1005 Metric)", Power (Watts)="0.063W, 1/16W", Resistance (Ohms)=1.6k, Supplier Device Package=0402, Supplier Part Number 1=YAG3045CT-ND, Temperature Coefficient=±100ppm/°C, Tolerance=±1%, Category=Resistors, Composition="Thick Film", Features="Moisture Resistant", Height="0.016\" (0.40mm)", Number of Terminations=2, Packaging="Cut Tape (CT)", Part Description="RES SMD 1.6K OHM 1% 1/16W 0402", RoHS="RoHS Compliant", Size / Dimension="0.039\" L x 0.020\" W (1.00mm x 0.50mm)", Supplier 1=Digi-Key
R121 R122 R125 R126 R134 R135 R141 R155 R160 R161: library part Res_0402, Manufacturer="Vishay Dale", Manufacturer Part Number=CRCW0402100KFKEDC, Manufacturer Part Number 1=ERJ-2GEJ104X, Operating Temperature="-55°C ~ 155°C", Package / Case="0402 (1005 Metric)", Power (Watts)="0.063W, 1/16W", Resistance (Ohms)=100k, Supplier Device Package=0402, Supplier Part Number 1=541-3960-1-ND, Temperature Coefficient=±100ppm/°C, Tolerance=±1%, Category=Resistors, Composition="Thick Film", Failure Rate=-, Features="Automotive AEC-Q200", Height="0.016\" (0.40mm)", Height - Seated (Max)="0.014\" (0.35mm)", Number of Terminations=2, Packaging="Cut Tape (CT)", Part Description="RES SMD 100K OHM 1% 1/10W 0402", Part Status=Active, RoHS="RoHS Compliant", Size / Dimension="0.039\" L x 0.020\" W (1.00mm x 0.50mm)", Supplier 1=Digi-Key
R127 R128 R129 R130 R224 R250 R251: library part Res_0402, Manufacturer="Vishay Dale", Manufacturer Part Number 1=CRCW08050000Z0EA, Operating Temperature="-55°C ~ 155°C", Package / Case="0805 (2012 Metric)", Power (Watts)="0.125W, 1/8W", Resistance (Ohms)=0.0, Supplier Part Number 1=541-0.0ATR-ND, Temperature Coefficient=-, Tolerance=Jumper, Category=Resistors, Composition="Thick Film", Features="Automotive AEC-Q200", Height="0.020\" (0.50mm)", Number of Terminations=2, Packaging="Tape & Reel (TR)", Part Description="RES SMD 0.0 OHM JUMPER 1/8W 0805", RoHS="RoHS Compliant", Size / Dimension="0.079\" L x 0.049\" W (2.00mm x 1.25mm)", Supplier 1=Digi-Key, Supplier Device Package="0805 (2012 Metric)"
  R129 R250 R251: Assembly Info=NF
R147: library part Res_0402, Manufacturer=Yageo, Manufacturer Part Number=RC0402FR-0747K5L, Operating Temperature="-55°C ~ 155°C", Package / Case="0402 (1005 Metric)", Power (Watts)="0.063W, 1/16W", Resistance (Ohms)=47.5k, Supplier Device Package=0402, Supplier Part Number 1=311-47.5KLRCT-ND, Temperature Coefficient=±100ppm/°C, Tolerance=±1%, Category=Resistors, Composition="Thick Film", Failure Rate=-, Features="Moisture Resistant", Height - Seated (Max)="0.016\" (0.40mm)", Packaging="Cut Tape (CT)", Part Description="RES SMD 47.5K OHM 1% 1/16W 0402", Part Status=Active, RoHS="RoHS Compliant", Size / Dimension="0.039\" L x 0.020\" W (1.00mm x 0.50mm)", Supplier 1=Digi-Key
R151: library part Res_0402, Manufacturer="TE CONNECTIVITY", Manufacturer Part Number 1=CRG0402F1M0, Power Rating=63, Resistance=1, Resistance Tolerance="± 1%", Resistor Case Style="0402 [1005 Metric]", Resistor Element Material="Thick Film", Supplier Part Number 1=2331481, Temperature Coefficient="± 100", Voltage Rating=50, MSL=-, Packaging="Cut Tape", Part Description="RES SMD 1M OHM 1% 1/16W 0402", Product Range="CRG Series", RoHS=YES, Supplier 1=Farnell, SVHC="No SVHC (16-Jun-2014"